# Altium PCB PCB信仰尺V1.0.pcbdoc (part 1 of 6)
Units mil, origin at the board's own origin, x right, y up, seen from the top; angles counter-clockwise.
Board outline 13501.75 x 10176.26 mil, 2 copper layers (Top Layer, Bottom Layer); 258 components, 187 nets, 2051 pads, 0 vias.
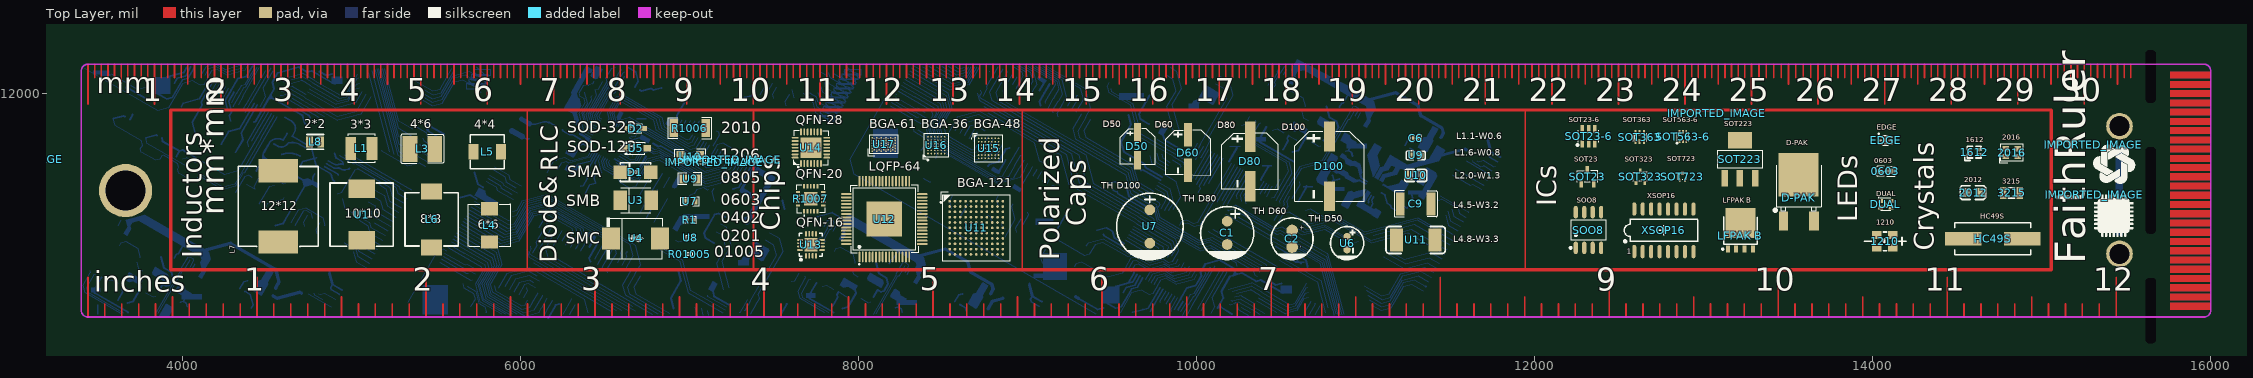
[diagram p0: Top Layer view]
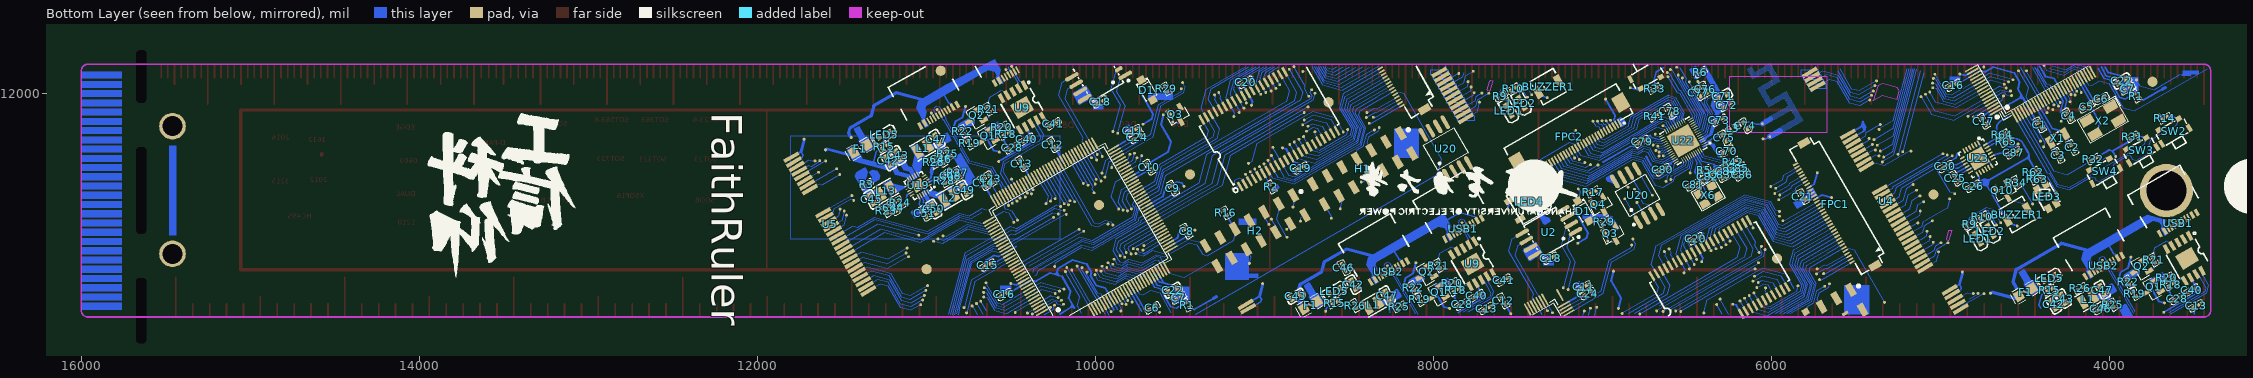
[diagram p1: Bottom Layer view, seen from below]

## Layer stack, top to bottom
Top Layer: signal copper (thickness not stored)
Dielectric: dielectric 12.6, FR-4, Dk 4.8
Bottom Layer: signal copper (thickness not stored)

## Board outline
16251.75,2750 2750,2750 2750,12926.26 16251.75,12926.26
cut-out: 15637,11680.16 15656.68,11680.16 cw(c15656.68,11660.48) 15676.37,11660.48 15676.37,11188.04 cw(c15656.68,11188.04) 15656.68,11168.35 15637,11168.35 cw(c15637,11188.04) 15617.31,11188.04 15617.31,11660.48 cw(c15637,11660.48)
cut-out: 15637,10905.81 15656.68,10905.81 cw(c15656.68,10886.12) 15676.37,10886.12 15676.37,10539.27 cw(c15656.68,10539.27) 15656.68,10519.59 15637,10519.59 cw(c15637,10539.27) 15617.31,10539.27 15617.31,10886.12 cw(c15637,10886.12)
cut-out: 15637,12253.93 15656.68,12253.93 cw(c15656.68,12234.24) 15676.37,12234.24 15676.37,11962.39 cw(c15656.68,11962.39) 15656.68,11942.71 15637,11942.71 cw(c15637,11962.39) 15617.31,11962.39 15617.31,12234.24 cw(c15637,12234.24)

## Components (designator, comment, footprint, x,y, rotation, side; value= is the part's Value field where it differs from the comment)
0603 "KT-0603R" LED0603-RD 14076.61,11536.37 r0 top
1210 "597-7701-507F" LED-SMD_4P-L3.0-W2.5_597-7701-507F 14073.28,11122.86 r0 top
1612 "AMPDGEI-A09T" OSC-SMD_4P-L1.6-W1.2-BL_ABRACON_AMPMG 14601.75,11650.85 r0 top
2012 "MLF2012C101KT000" L0805 14595.83,11410.86 r0 top
2016 "9S26000033_C516565" OSC-SMD_4P-L2.0-W1.6-BL 14824.64,11647.86 r0 top
3215 "Q13FC1350000400" FC-135R_L3.2-W1.5#1 14822.75,11409.75 r0 top
BUZZER1 "FUET-4020" BUZ-SMD_L4.0-W4.0-P3.50-L 4547.25,11280.93 r150 bottom
BUZZER1 "FUET-4020" BUZ-SMD_L4.0-W4.0-P3.50-L 7322.29,12037.81 r150 bottom
C1 "100uF" CAP-TH_BD8.0-P3.50-D0.6-FD_1 10182.16,11172.86 r270 top
C1 "CL05B104KB54PNC" C0402 4413.74,11811.65 r60 bottom
C2 "47uF" CAP-TH_BD6.3-P2.50-D0.6-FD 10566.49,11137.9 r270 top
C2 "CL05C100JB5NNNC" C0402 4221.03,11678.01 r240 bottom
C3 "CL05C100JB5NNNC" C0402 4303.98,11631.05 r240 bottom
C4 "CL05B104KB54PNC" C0402 4242.82,11865.43 r60 bottom
C5 "0402CG220J500NT" C0402 4135.69,11917.97 r150 bottom
C6 "MPC8020-206/TR" CAP-SMD_L1.1-W0.6 11297.74,11733.86 r0 top
C6 "0402CG220J500NT" C0402 4050.03,11967.82 r330 bottom
C6 "0402CG220J500NT" C0402 9665.07,10729.71 r330 bottom
C7 "CL05B104KB54PNC" C0402 3894.54,12025.68 r330 bottom
C7 "CL05B104KB54PNC" C0402 9509.58,10787.56 r330 bottom
C8 "CL05B104KB54PNC" C0402 9462.3,11181.54 r60 bottom
C9 "63MU105MC24532" CAP-SMD_L4.5-W3.2-1 11297.74,11344.11 r0 top
C9 "CL05B104KB54PNC" C0402 9542.76,11436.66 r60 bottom
C10 "CL05B104KB54PNC" C0402 9682.98,11561.9 r60 bottom
C11 "CL05B104KB54PNC" C0402 7113.07,10853.11 r330 bottom
C11 "CL05B104KB54PNC" C0402 9777.07,11778.11 r330 bottom
C12 "CL05B104KB54PNC" C0402 7588.32,10769.9 r60 bottom
C12 "CL05B104KB54PNC" C0402 10252.32,11694.9 r60 bottom
C13 "CL05B104KB54PNC" C0402 7685.75,10724.86 r150 bottom
C13 "CL05B104KB54PNC" C0402 3487.51,10740.42 r150 bottom
C13 "CL05B104KB54PNC" C0402 10437.58,11582.43 r60 bottom
C14 "CL05B104KB54PNC" C0402 10661.37,11469.7 r60 bottom
C15 "CL05B104KB54PNC" C0402 10638.43,10982.15 r330 bottom
C16 "CL05B104KB54PNC" C0402 4925.28,12046.9 r330 bottom
C16 "CL05B104KB54PNC" C0402 10540.33,10808.79 r330 bottom
C17 "CL05B104KB54PNC" C0402 4744.81,11833.15 r60 bottom
C18 "CL05B104KB54PNC" C0402 7308.66,11022.2 r150 bottom
C18 "CL05B104KB54PNC" C0402 9972.66,11947.2 r150 bottom
C19 "CL05B104KB54PNC" C0402 8787.08,11556.66 r330 bottom
C20 "CL05B104KB54PNC" C0402 6448.42,11138.62 r330 bottom
C20 "CL05B104KB54PNC" C0402 9112.42,12063.62 r330 bottom
C21 "CL05B104KB54PNC" C0402 5816.38,11387.94 r240 bottom
C22 "CL10A106KP8NNNC" C0603 3928.48,12071.53 r150 bottom
C22 "CL10A106KP8NNNC" C0603 9543.52,10833.42 r150 bottom
C23 "CL05A225MQ5NSNC" C0402 10621.75,11493.24 r60 bottom
C24 "CL05A225MQ5NSNC" C0402 7089.55,10813.68 r330 bottom
C24 "CL05A225MQ5NSNC" C0402 9753.55,11738.68 r330 bottom
C25 "CL05B104KB54PNC" C0402 4912.78,11496.79 r240 bottom
C26 "CL05B104KB54PNC" C0402 4808.09,11448.42 r150 bottom
C28 "CL05A105KA5NQNC" C0402 7830.01,10751.38 r330 bottom
C28 "CL05A105KA5NQNC" C0402 3600.01,10784.38 r330 bottom
C28 "CL05A105KA5NQNC" C0402 10494.01,11676.38 r330 bottom
C30 "AC0402KRX7R9BB103" C0402 4971.73,11566.04 r330 bottom
C40 "CL05A105KA5NQNC" C0402 7743.88,10801.54 r150 bottom
C40 "CL05A105KA5NQNC" C0402 3513.88,10834.54 r150 bottom
C40 "CL05A105KA5NQNC" C0402 10407.88,11726.54 r150 bottom
C41 "CL05B104KB54PNC" C0402 7585.75,10893.15 r330 bottom
C41 "CL05B104KB54PNC" C0402 10249.75,11818.15 r330 bottom
C42 "CL10A106KP8NNNC" C0603 8474.75,10866.86 r60 bottom
C42 "CL10A106KP8NNNC" C0603 4332.62,10750.46 r60 bottom
C42 "CL10A106KP8NNNC" C0603 11226.62,11598.46 r60 bottom
C43 "CL10A106KP8NNNC" C0603 8815.75,10797.86 r150 bottom
C43 "CL10A106KP8NNNC" C0603 4275.16,10784.1 r60 bottom
C43 "CL10A106KP8NNNC" C0603 11169.16,11632.1 r60 bottom
C44 "0402B221K500NT" C0402 11194.14,11322.57 r240 bottom
C45 "CL10A106KP8NNNC" C0603 11324.74,11371.51 r60 bottom
C46 "0402B221K500NT" C0402 8531.75,10967.86 r240 bottom
C46 "0402B221K500NT" C0402 4053.75,10724.86 r330 bottom
C46 "0402B221K500NT" C0402 10912.84,11608.85 r240 bottom
C47 "CL10A106KP8NNNC" C0603 8274.59,10801.71 r240 bottom
C47 "CL10A106KP8NNNC" C0603 4044.59,10834.71 r240 bottom
C47 "CL10A106KP8NNNC" C0603 10938.59,11726.71 r240 bottom
C48 "0402B221K500NT" C0402 10857.43,11510.3 r240 bottom
C49 "CL10A106KP8NNNC" C0603 10775.96,11426.43 r240 bottom
C50 "CL10A106KP8NNNC" C0603 10956.92,11314.17 r60 bottom
C51 "CL05A105KA5NQNC" C0402 11011.3,11288.31 r60 bottom
C70 "CL05B104KB54PNC" C0402 6266.33,11656.79 r330 bottom
C71 "CL10A106KP8NNNC" C0603 6288.86,11980.11 r150 bottom
C72 "CL05A105KA5NQNC" C0402 6264.96,11927.88 r330 bottom
C73 "CL05B104KB54PNC" C0402 6311.29,11839.14 r330 bottom
C74 "CL05C100JB5NNNC" C0402 6156.11,11807.24 r240 bottom
C75 "CL05C100JB5NNNC" C0402 6280.35,11734.52 r240 bottom
C76 "GRM1555C1H271FA01D" C0402 6393.02,12023.81 r60 bottom
C77 "GRM1555C1H271FA01D" C0402 6432.81,12001.53 r240 bottom
C78 "CL05B104KB54PNC" C0402 6602.3,11891.75 r240 bottom
C79 "CL05A475MP5NRNC" C0402 6767.25,11712.81 r150 bottom
C80 "CL05B104KB54PNC" C0402 6644.54,11546.29 r150 bottom
C81 "0402CG220J500NT" C0402 6463.81,11456.32 r150 bottom
C82 "0402CG220J500NT" C0402 6377.55,11504.07 r330 bottom
C83 "CL05A105KA5NQNC" C0402 6304.13,11517.66 r60 bottom
C84 "0402CG101J500NT" C0402 6269.99,11537.46 r60 bottom
C85 "CL05B332KB5NNNC" C0402 6196.62,11555.79 r150 bottom
C86 "CL05B103KB5NNNC" C0402 6173.89,11516.38 r330 bottom
C87 "0402B222K500NT" C0402 4568.92,11645.67 r150 bottom
D1 "DO-214AC_L4.3-W2.7-LS5.3-RD" DO-214AC_L4.3-W2.7-LS5.3-RD 6681.21,11531.86 r0 top
D1 "1N4148W" SOD-123_L2.7-W1.6-LS3.8-RD 7114.49,11301.93 r240 bottom
D1 "1N4148W" SOD-123_L2.7-W1.6-LS3.8-RD 9696.75,12017.86 r240 bottom
D2 "SOD-323_L1.8-W1.3-LS2.5-RD" SOD-323_L1.8-W1.3-LS2.5-RD 6682.55,11789.86 r0 top
D50 "RVT100UF10V67RV0160" CAP-SMD_BD5.0-L5.3-W5.3-FD 9651.49,11684.41 r270 top
D60 "RST47UF50V038" CAP-SMD_BD6.3-L6.6-W6.6-LS7.2-FD 9950.75,11648.19 r270 top
D80 "RVE1E221M0810" CAP-SMD_BD8.0-L8.3-W8.3-LS9.3-FD 10317.75,11595.42 r270 top
D100 "470uF" CAP-SMD_BD10.0-L10.3-W10.3-LS11.3-FD 10786.42,11566.86 r270 top
D-PAK "L78M05ABDT-TR" TO-252-2_L6.5-W6.1-P4.58-LS10.0-TL 13562.75,11379.91 r90 top
DUAL "YELLOWBLUE/RED" LED-ARRAY-SMD_4P-L1.6-W1.5-BR-1 14078.78,11341.52 r180 top
EDGE "MIC5308-1.2YMT-TR" MLF-6_L1.6-W1.6-P0.50-TL-EP 14077.66,11719.86 r0 top
F1 "SL0805200" F0805 8728.2,10745.93 r330 bottom
F1 "SL0805200" F0805 4498.2,10822.93 r330 bottom
F1 "SL0805200" F0805 11392.2,11670.93 r330 bottom
FPC1 "F0502-B-35-15T-R" FPC-SMD_F0502-B-35-15T-R 5645.46,11315.73 r60 bottom
FPC2 "FPC-05F-30PH20" FPC-SMD_30P-P0.50_XUNPU_FPC-05F-30PH20 7172.07,11724.86 r330 bottom
H1 "2185-207ZG0CYNT1" HDR-SMD_14P-P2.54-H-F-R2-C7-S3.50 8420.73,11551.92 r330 bottom
H2 "2185-207ZG0CYNT1" HDR-SMD_14P-P2.54-H-F-R2-C7-S3.50 9055.66,11186.26 r330 bottom
HC49S "X49SM8MSD2SC" CRYSTAL-SMD_L11.5-W4.8-LS12.7 14711.75,11137.86 r0 top
IMPORTED_IMAGE "IMPORTED_IMAGE" IMPORTED_IMAGE 15311.75,11399.86 r0 top
IMPORTED_IMAGE "IMPORTED_IMAGE" IMPORTED_IMAGE 15306.75,11693.86 r0 top
IMPORTED_IMAGE "IMPORTED_IMAGE" IMPORTED_IMAGE 13077.75,11881.86 r0 top
IMPORTED_IMAGE "IMPORTED_IMAGE" IMPORTED_IMAGE 7148.12,11590.6 r0 top
IMPORTED_IMAGE "IMPORTED_IMAGE" IMPORTED_IMAGE 3000,11609.86 r0 top
IMPORTED_IMAGE "IMPORTED_IMAGE" IMPORTED_IMAGE 7253.06,11605.86 r0 top
L1 "Inductor_SMD:L_Coilcraft_XxL4040" IND-SMD_L4.0-W4.0 5059.75,11672.5 r0 top
L1 "VLS252012CX-1R5M" IND-SMD_L2.5-W2.0_252012 8358.74,10747.12 r330 bottom
L1 "VLS252012CX-1R5M" IND-SMD_L2.5-W2.0_252012 4128.74,10780.12 r330 bottom
L1 "VLS252012CX-1R5M" IND-SMD_L2.5-W2.0_252012 11022.74,11672.12 r330 bottom
L2 "VLS252012CX-1R5M" IND-SMD_L2.5-W2.0_252012 10867.04,11381.4 r330 bottom
L3 "SQC453226T-220K-N" IND-SMD_L4.5-W3.6_SQC453226T-4R7K-N 5420.39,11669.41 r0 top
L3 "SDCL1005C10NJTDF" L0402 6230.79,11792.6 r330 bottom
L4 "MBH6045C-221MA=P3" IND-SMD_L6.2-W6.2-MBH6045C-221MA 5817.61,11217.54 r90 top
L5 "HPPC05030-1R0M-Q8DH" IND-SMD_L5.0-W5.0_CHILISIN_HPPC05030 5804.75,11652.95 r180 top
L6 "HPPC08040B-R33M-AUDF" IND-SMD_L8.0-W8.0_CHILISIN_HPPC08040B 5474.91,11252.43 r90 top
L7 "HPPC12040-R22M-Q8ADF" IND-SMD_L12.0-W12.0_CHILISIN_HPPC12040 4567.84,11329.25 r90 top
L8 "FTC201610S4R7MBCA" IND-SMD_L2.0-W1.6-B 4786.06,11710.86 r0 top
L13 "VLS252012CX-1R5M" IND-SMD_L2.5-W2.0_252012 11242.15,11421.6 r330 bottom
LED1 "19-217/GHC-YR1S2/3T" LED0603-R-RD 4780.03,11138.97 r60 bottom
LED1 "19-217/GHC-YR1S2/3T" LED0603-R-RD 7555.08,11895.85 r60 bottom
LED2 "19-217/GHC-YR1S2/3T" LED0603-R-RD 4705.1,11183.53 r60 bottom
LED2 "19-217/GHC-YR1S2/3T" LED0603-R-RD 7480.14,11940.41 r60 bottom
LED3 "PD15-22C/TR8(OP)" LED-SMD_4P-L3.2-W2.7-R-RD 4371.91,11387.99 r240 bottom
LED4 "ws2812b" WS2812B 7434.86,11357.61 r150 bottom
LED5 "19-217/GHC-YR1S2/3T" LED0603-R-RD 8586.79,10828.45 r330 bottom
LED5 "19-217/GHC-YR1S2/3T" LED0603-R-RD 4356.79,10905.45 r330 bottom
LED5 "19-217/GHC-YR1S2/3T" LED0603-R-RD 11250.79,11753.45 r330 bottom
"LFPAK B" "PSMN4R0-60YS,115" LFPAK56-4_L4.9-W4.2-P1.27-LS6.2-BL 13219.07,11154.86 r0 top
Q1 "SS8050" SOT-23-3_L2.9-W1.3-P1.90-LS2.4-BR 7980.36,10806.34 r150 bottom
Q1 "SS8050" SOT-23-3_L2.9-W1.3-P1.90-LS2.4-BR 3750.36,10839.34 r150 bottom
Q1 "SS8050" SOT-23-3_L2.9-W1.3-P1.90-LS2.4-BR 10644.36,11731.34 r150 bottom
Q2 "SS8050" SOT-23-3_L2.9-W1.3-P1.90-LS2.4-BR 8049.9,10927.21 r150 bottom
Q2 "SS8050" SOT-23-3_L2.9-W1.3-P1.90-LS2.4-BR 3819.9,10960.21 r150 bottom
Q2 "SS8050" SOT-23-3_L2.9-W1.3-P1.90-LS2.4-BR 10713.9,11852.21 r150 bottom
Q3 "S8050" SOT-23-3_L2.9-W1.3-P1.90-LS2.4-BR 6940.29,11160.39 r60 bottom
Q3 "S8050" SOT-23-3_L2.9-W1.3-P1.90-LS2.4-BR 9513.29,11864.39 r60 bottom
Q4 "S8050" SOT-23-3_L2.9-W1.3-P1.90-LS2.4-BR 7010.86,11332.74 r60 bottom
Q10 "S8050" SOT-23-3_L2.9-W1.3-P1.90-LS2.4-BR 4620.73,11414.67 r60 bottom
R1 "50R 1%-0402" R0402 7003.95,11249.86 r0 top
R1 "0402WGF100JTCE" R0402 3843.33,11982.67 r60 bottom
R1 "0402WGF100JTCE" R0402 9458.37,10744.56 r60 bottom
R2 "0402WGF1002TCE" R0402 8961,11444.8 r60 bottom
R3 "0402WGF0000TCE" R0402 11354.5,11460.54 r150 bottom
R5 "0402WGF0000TCE" R0402 6398.69,11544.37 r330 bottom
R6 "0402WGF0000TCE" R0402 6421.75,12123.86 r150 bottom
R9 "0402WGF4701TCE" R0402 4829.53,11224.94 r150 bottom
R9 "0402WGF4701TCE" R0402 7604.57,11981.83 r150 bottom
R10 "0402WGF4701TCE" R0402 4754.57,11268.09 r150 bottom
R10 "0402WGF4701TCE" R0402 7529.61,12024.97 r150 bottom
R14 "CR0402FF4990G" R0402 3674.62,11851.59 r330 bottom
R15 "0402WGF4701TCE" R0402 8585.3,10757.64 r150 bottom
R15 "0402WGF4701TCE" R0402 4355.3,10834.64 r150 bottom
R15 "0402WGF4701TCE" R0402 11249.3,11682.64 r150 bottom
R16 "0402WGF1002TCE" R0402 9231.41,11291.74 r240 bottom
R17 "TR0402D10K0Q1025Z" R0402 7055.71,11414.65 r150 bottom
R18 "0402WGF1002TCE" R0402 7867.98,10831.95 r330 bottom
R18 "0402WGF1002TCE" R0402 3637.98,10864.95 r330 bottom
R18 "0402WGF1002TCE" R0402 10531.98,11756.95 r330 bottom
R19 "0402WGF1001TCE" R0402 8081.06,10778.82 r60 bottom
R19 "0402WGF1001TCE" R0402 3851.06,10811.82 r60 bottom
R19 "0402WGF1001TCE" R0402 10745.06,11703.82 r60 bottom
R20 "0402WGF4702TCE" R0402 7891.39,10874.19 r330 bottom
R20 "0402WGF4702TCE" R0402 3661.39,10907.19 r330 bottom
R20 "0402WGF4702TCE" R0402 10555.39,11799.19 r330 bottom
R21 "0402WGF1002TCE" R0402 7969.06,10979.38 r60 bottom
R21 "0402WGF1002TCE" R0402 3739.06,11012.38 r60 bottom
R21 "0402WGF1002TCE" R0402 10633.06,11904.38 r60 bottom
R22 "0402WGF1002TCE" R0402 8121.37,10849.39 r240 bottom
R22 "0402WGF1002TCE" R0402 3891.37,10882.39 r240 bottom
R22 "0402WGF1002TCE" R0402 10785.37,11774.39 r240 bottom
R23 "0402WGF6802TCE" R0402 11238.47,11304.46 r240 bottom
R24 "0402WGF1502TCE" R0402 11156.84,11351.32 r60 bottom
R25 "0402WGF1103TCE" R0402 8202.75,10734.86 r330 bottom
R25 "0402WGF1103TCE" R0402 3981.24,10748.33 r240 bottom
R25 "0402WGF1103TCE" R0402 10875.24,11640.33 r240 bottom
R26 "NQ02WGF3002TCE" R0402 8464.75,10742.86 r240 bottom
R26 "NQ02WGF3002TCE" R0402 10958.32,11591.22 r240 bottom
R26 "NQ02WGF3002TCE" R0402 4175.75,10843.86 r330 bottom
R27 "0402WGF1003TCE" R0402 10814.39,11527.23 r240 bottom
R28 "0402WGF1003TCE" R0402 10896.3,11482.27 r240 bottom
R29 "TR0402D10K0Q1025Z" R0402 6989.95,11238.2 r150 bottom
R29 "TR0402D10K0Q1025Z" R0402 9582.75,12024.86 r240 bottom
R31 "CR0402FF4990G" R0402 3864.72,11741.57 r330 bottom
R32 "CR0402FF4990G" R0402 4096.72,11607.89 r150 bottom
R33 "CR0402FF4990G" R0402 6692.49,12026.17 r150 bottom
R34 "CR0402FF1001G" R0402 4552.55,11470.31 r60 bottom
R41 "0402WGF0000TCE" R0402 6690.74,11863.55 r330 bottom
R42 "0402WGF2002TCE" R0402 6226.52,11592.02 r150 bottom
R62 "CR0402FF4702G" R0402 4452.73,11531.74 r150 bottom
R63 "CR0402J1K00Q10Z" R0402 4430.1,11491.29 r330 bottom
R64 "0402WGF4701TCE" R0402 4634.61,11752.32 r150 bottom
R65 "0402WGF4701TCE" R0402 4611.89,11713.12 r150 bottom
R01005 "RC0100FR-073R3L" R01005 7002.82,11047.86 r0 top
R1006 "AR10FTCO0500" R2010 7002.98,11792.44 r0 top
R1007 "XM003Q" QFN-20_L4.0-W4.0-P0.5-EP2.0 7718.24,11374.86 r0 top
SOO8 "HY15P41-S008" SOP-8_L4.9-W3.9-P1.27-LS6.0-BL 12319.75,11189.86 r0 top
SOT23 "BAV70_C68978" SOT-23-3_L3.0-W1.7-P0.95-LS2.9-BR 12313.44,11505.54 r270 top
SOT23-6 "SOT23-6" SOT-23-6_L2.9-W1.6-P0.95-LS2.8-BL 12320.39,11743.86 r0 top
SOT223 "SOT223" SOT-223-4_L6.5-W3.5-P2.30-LS7.0-BR 13215.75,11608.21 r270 top
SOT323 "BAV99WT1G" SC-70-3_L2.1-W1.3-P1.30-LS2.1-BR 12626.29,11504.86 r270 top
SOT363 "74HC2G04GW-SOT363" SOT-36-6_L2.0-W1.3-P0.65-BL 12622.75,11738.79 r0 top
SOT563-6 "TMP302BDRLT" SOT-563_L1.6-W1.2-P0.50-LS1.6-BL 12878.44,11742.86 r0 top
SOT723 "CJ3134K KF" SOT-723_L1.2-W0.8-P0.40-LS1.2-BR 12875.75,11505.21 r270 top
SW2 "K2-1806SA-A3DW-04" KEY-SMD_K2-1806SA-AXXW-XX 3630.51,11780.83 r330 bottom
SW3 "K2-1806SA-A3DW-04" KEY-SMD_K2-1806SA-AXXW-XX 3823.02,11667.83 r330 bottom
SW4 "K2-1806SA-A3DW-04" KEY-SMD_K2-1806SA-AXXW-XX 4040.47,11544.26 r330 bottom
U1 "CD106N-330M" IND-SMD_L9.5-W9.5 5061.24,11281.43 r90 top
U2 "W25Q128JVSIM" SOIC-8_L5.2-W5.2-P1.27-LS7.9-BL 7318.67,11175.6 r60 bottom
U3 "DO-214AA_L4.4-W3.6-LS5.3-RD" DO-214AA_L4.4-W3.6-LS5.3-RD 6682.55,11364.86 r0 top
U4 "DO-214AB_L6.9-W5.9-LS7.9-RD" DO-214AB_L6.9-W5.9-LS7.9-RD 6682.55,11139.69 r0 top
U4 "MIN-PCIE 0.8-52P_1" "MINI-PCIE 0.8-52P" 5622.24,11761.78 r240 bottom
U5 "SOD-123F_L2.7-W1.6-LS3.8-RD" SOD-123F_L2.7-W1.6-LS3.8-RD 6682.54,11673.86 r0 top
U5 "MIN-PCIE 0.8-52P_1" "MINI-PCIE 0.8-52P" 11873.42,11625.5 r240 bottom
U6 "22uF" CAP-TH_BD5.0-P2.00-D0.5-FD-1 10891.75,11112.31 r270 top
U7 "TH D100" CAP-TH_BD10.0-P5.00-D0.6-FD 9724.75,11210.73 r270 top
U7 "50M-1" R0603 7003.95,11358.86 r0 top
U8 "0201WMJ0153T5E" R0201 7005.64,11144.86 r0 top
U9 "16MU473MY11608" CAP-SMD_L1.6-W0.8-2 11297.74,11630.9 r0 top
U9 "MCTF0805TTX1002" R0805 7004.2,11492.33 r0 top
U9 "CH340K" ESOP-10_L4.9-W3.9-P1.00-LS6.2-BL-EP 7771.16,10988.97 r330 bottom
U9 "CH340K" ESOP-10_L4.9-W3.9-P1.00-LS6.2-BL-EP 10435.16,11913.97 r330 bottom
U10 "63MU103KZ12012" CAP-SMD_L2.0-W1.3 11297.74,11512.37 r0 top
U10 "RN732BTTD2671B25" R1206 7005.96,11624.61 r0 top
U11 "ECHU1H473JX9" CAP-SMD_L4.8-W3.3 11297.75,11130.86 r0 top
U11 "CYUSB3064-BZXC_C2944683" BGA-121_L10.0-W10.0-R11-C11-P0.80-TL 8697.75,11202.86 r0 top
U12 "S912ZVML12AMKHR" LQFP-64_L10.0-W10.0-P0.50-LS12.0-BL-EP5.3 8153.75,11254.86 r0 top
U13 "MKL03Z16VFG4" QFN-16_L3.0-W3.0-P0.50-BL-EP2.0 7719.75,11101.7 r0 top
U14 "C8051F367-C-GMR" QFN-28_L5.0-W5.0-P0.50-BL-EP3.1 7719.75,11676.86 r0 top
U15 "EFM32TG825F32-BGA48T" BGA-48_L4.0-W4.0-P0.50-TL_SILICON_EFM32TG825XXX 8770.27,11672.86 r0 top
U16 "MKL17Z64VDA4R" BGA-36_L3.5-W3.5-R6-R6-P0.50-BL 8455.75,11696.86 r0 top
U17 "CS47L63-CWZR" BGA-61_L4.1-W2.7-P0.40-BL 8149.75,11695.85 r0 top
U19 "EA3036CQBR" WQFN-20_L3.0-W3.0-P0.40-BL-EP 11050.34,11453.29 r60 bottom
U20 "W25Q128JVSIQ" SOIC-8_L5.3-W5.3-P1.27-LS8.0-BL 6793.91,11394.15 r150 bottom
U20 "W25Q128JVSIQ" SOIC-8_L5.3-W5.3-P1.27-LS8.0-BL 7927.75,11669.86 r150 bottom
U22 "ESP32-D0WD-V3" QFN-48_L5.0-W5.0-P0.35-BL-EP3.7 6522.92,11717.8 r60 bottom
U23 "MPU-6050" QFN-24_L4.0-W4.0-P0.50-BL-EP2.7 4779.91,11613.47 r330 bottom
USB1 "TYPE-C-31-M-31" USB-C-SMD_TYPE-C-31-M-31 7870.5,11279.03 r330 bottom
USB1 "TYPE-C-31-M-31" USB-C-SMD_TYPE-C-31-M-31 3640.5,11312.03 r330 bottom
USB2 "TYPE-C-31-M-31" USB-C-SMD_TYPE-C-31-M-31 8311.17,11025.07 r330 bottom
USB2 "TYPE-C-31-M-31" USB-C-SMD_TYPE-C-31-M-31 4081.17,11058.07 r330 bottom
X1 "Q13FC1350000400" FC-135R_L3.2-W1.5#2 4308.2,11733.53 r150 bottom
X2 "X50328MSB4SI" OSC-SMD_4P-L5.0-W3.2-BL 4040.55,11837.08 r330 bottom
X6 "SX32Y040000BA1T" OSC-SMD_4P-L3.2-W2.5-BL 6375.11,11396.47 r330 bottom
XSOP16 "SMT-IC-X-SOP16-74HC595" SMT-SOP16-X 12765.76,11187.86 r0 top

## Footprints (in the part's own frame and the unit in brackets; to place one, negate y for a bottom-side part, rotate by r counter-clockwise, add the part's x,y. Pads: shape width x height; smd on the part's side, far side on the other; paste and mask are expansions set on the pad)
BGA-36_L3.5-W3.5-R6-R6-P0.50-BL [mm]
  round 0.24 smd paste+0 mask+0.038: A1(-1.113,-1.386) A2(-1.113,-0.886) A3(-1.113,-0.386) A4(-1.113,0.114) A5(-1.113,0.614) A6(-1.113,1.114) B1(-0.613,-1.386) B2(-0.613,-0.886) B3(-0.613,-0.386) B4(-0.613,0.114) B5(-0.613,0.614) B6(-0.613,1.114) C1(-0.113,-1.386) C2(-0.113,-0.886) C3(-0.113,-0.386) C4(-0.113,0.114) C5(-0.113,0.614) C6(-0.113,1.114) D1(0.387,-1.386) D2(0.387,-0.886) D3(0.387,-0.386) D4(0.387,0.114) D5(0.387,0.614) D6(0.387,1.114) E1(0.887,-1.386) E2(0.887,-0.886) E3(0.887,-0.386) E4(0.887,0.114) E5(0.887,0.614) E6(0.887,1.114) F1(1.387,-1.386) F2(1.387,-0.886) F3(1.387,-0.386) F4(1.387,0.114) F5(1.387,0.614) F6(1.387,1.114)
  silkscreen extent -1.92,-2.46 1.96,1.69
BGA-48_L4.0-W4.0-P0.50-TL_SILICON_EFM32TG825XXX [mm]
  round 0.24 smd paste-100 mask+0.051: A1(-1.5,1.5) A2(-1,1.5) A3(-0.5,1.5) A4(0,1.5) A5(0.5,1.5) A6(1,1.5) A7(1.5,1.5) B1(-1.5,1) B2(-1,1) B3(-0.5,1) B4(0,1) B5(0.5,1) B6(1,1) B7(1.5,1) C1(-1.5,0.5) C2(-1,0.5) C3(-0.5,0.5) C4(0,0.5) C5(0.5,0.5) C6(1,0.5) C7(1.5,0.5) D1(-1.5,0) D2(-1,0) D3(-0.5,0) D5(0.5,0) D6(1,0) D7(1.5,0) E1(-1.5,-0.5) E2(-1,-0.5) E3(-0.5,-0.5) E4(0,-0.5) E5(0.5,-0.5) E6(1,-0.5) E7(1.5,-0.5) F1(-1.5,-1) F2(-1,-1) F3(-0.5,-1) F4(0,-1) F5(0.5,-1) F6(1,-1) F7(1.5,-1) G1(-1.5,-1.5) G2(-1,-1.5) G3(-0.5,-1.5) G4(0,-1.5) G5(0.5,-1.5) G6(1,-1.5) G7(1.5,-1.5)
  silkscreen extent -2.63,-2.08 2.08,2.3
BGA-61_L4.1-W2.7-P0.40-BL [mm]
  round 0.24 smd paste-100 mask+0.051: A1(-1.731,-1) A3(-1.731,-0.6) A5(-1.731,-0.2) A7(-1.731,0.2) A9(-1.731,0.6) A11(-1.731,1) B2(-1.384,-0.8) B4(-1.384,-0.4) B6(-1.384,0) B8(-1.384,0.4) B10(-1.384,0.8) C1(-1.038,-1) C3(-1.038,-0.6) C5(-1.038,-0.2) C7(-1.038,0.2) C9(-1.038,0.6) C11(-1.038,1) D2(-0.692,-0.8) D4(-0.692,-0.4) D6(-0.692,0) D8(-0.692,0.4) D10(-0.692,0.8) E1(-0.346,-1) E3(-0.346,-0.6) E5(-0.346,-0.2) E7(-0.346,0.2) E9(-0.346,0.6) E11(-0.346,1) F2(0,-0.8) F4(0,-0.4) F6(0,0) F8(0,0.4) F10(0,0.8) G1(0.346,-1) G3(0.346,-0.6) G5(0.346,-0.2) G7(0.346,0.2) G9(0.346,0.6) G11(0.346,1) H2(0.692,-0.8) H4(0.692,-0.4) H6(0.692,0) H8(0.692,0.4) H10(0.692,0.8) J1(1.038,-1) J3(1.038,-0.6) J5(1.038,-0.2) J7(1.038,0.2) J9(1.038,0.6) J11(1.038,1) K2(1.384,-0.8) K4(1.384,-0.4) K6(1.384,0) K8(1.384,0.4) K10(1.384,0.8) L1(1.731,-1) L3(1.731,-0.6) L5(1.731,-0.2) L7(1.731,0.2) L9(1.731,0.6) L11(1.731,1)
  silkscreen extent -2.38,-1.66 2.13,1.43
BGA-121_L10.0-W10.0-R11-C11-P0.80-TL [mm]
  round 0.4 smd mask+0.051: A1(-4,4) A2(-3.2,4) A3(-2.4,4) A4(-1.6,4) A5(-0.8,4) A6(0,4) A7(0.8,4) A8(1.6,4) A9(2.4,4) A10(3.2,4) A11(4,4) B1(-4,3.2) B2(-3.2,3.2) B3(-2.4,3.2) B4(-1.6,3.2) B5(-0.8,3.2) B6(0,3.2) B7(0.8,3.2) B8(1.6,3.2) B9(2.4,3.2) B10(3.2,3.2) B11(4,3.2) C1(-4,2.4) C2(-3.2,2.4) C3(-2.4,2.4) C4(-1.6,2.4) C5(-0.8,2.4) C6(0,2.4) C7(0.8,2.4) C8(1.6,2.4) C9(2.4,2.4) C10(3.2,2.4) C11(4,2.4) D1(-4,1.6) D2(-3.2,1.6) D3(-2.4,1.6) D4(-1.6,1.6) D5(-0.8,1.6) D6(0,1.6) D7(0.8,1.6) D8(1.6,1.6) D9(2.4,1.6) D10(3.2,1.6) D11(4,1.6) E1(-4,0.8) E2(-3.2,0.8) E3(-2.4,0.8) E4(-1.6,0.8) E5(-0.8,0.8) E6(0,0.8) E7(0.8,0.8) E8(1.6,0.8) E9(2.4,0.8) E10(3.2,0.8) E11(4,0.8) F1(-4,0) F2(-3.2,0) F3(-2.4,0) F4(-1.6,0) F5(-0.8,0) F6(0,0) F7(0.8,0) F8(1.6,0) F9(2.4,0) F10(3.2,0) F11(4,0) G1(-4,-0.8) G2(-3.2,-0.8) G3(-2.4,-0.8) G4(-1.6,-0.8) G5(-0.8,-0.8) G6(0,-0.8) G7(0.8,-0.8) G8(1.6,-0.8) G9(2.4,-0.8) G10(3.2,-0.8) G11(4,-0.8) H1(-4,-1.6) H2(-3.2,-1.6) H3(-2.4,-1.6) H4(-1.6,-1.6) H5(-0.8,-1.6) H6(0,-1.6) H7(0.8,-1.6) H8(1.6,-1.6) H9(2.4,-1.6) H10(3.2,-1.6) H11(4,-1.6) J1(-4,-2.4) J2(-3.2,-2.4) J3(-2.4,-2.4) J4(-1.6,-2.4) J5(-0.8,-2.4) J6(0,-2.4) J7(0.8,-2.4) J8(1.6,-2.4) J9(2.4,-2.4) J10(3.2,-2.4) J11(4,-2.4) K1(-4,-3.2) K2(-3.2,-3.2) K3(-2.4,-3.2) K4(-1.6,-3.2) K5(-0.8,-3.2) K6(0,-3.2) K7(0.8,-3.2) K8(1.6,-3.2) K9(2.4,-3.2) K10(3.2,-3.2) K11(4,-3.2) L1(-4,-4) L2(-3.2,-4) L3(-2.4,-4) L4(-1.6,-4) L5(-0.8,-4) L6(0,-4) L7(0.8,-4) L8(1.6,-4) L9(2.4,-4) L10(3.2,-4) L11(4,-4)
  silkscreen extent -5.41,-5 5,5.33
BUZ-SMD_L4.0-W4.0-P3.50-L [mil]
  rect 39.4x70.9 smd paste+4 mask+2: 1(-68.9,0) 2(68.9,0)
  silkscreen extent -79,-79 79,79
C0402 [mm]
  rect 0.79x0.54 smd paste-100 mask+0.051: 1(-0.545,0) 2(0.545,0)
  silkscreen extent -1.17,-0.5 1.17,0.5
C0603 [mm]
  rect 0.8x0.9 smd paste+0 mask+0.051: 1(-0.7,0) 2(0.7,0)
  silkscreen extent -1.41,-0.71 1.39,0.72
CAP-SMD_BD5.0-L5.3-W5.3-FD [mm]
  rect 2.8x1.1 smd mask+0.051: 1(-2.1,0) 2(2.1,0)
  silkscreen extent -2.66,-2.62 2.66,2.65
CAP-SMD_BD6.3-L6.6-W6.6-LS7.2-FD [mm]
  rect 3.5x1.2 smd mask+0.051: 1(-2.67,0) 2(2.67,0)
  silkscreen extent -3.38,-3.38 3.38,3.38
CAP-SMD_BD8.0-L8.3-W8.3-LS9.3-FD [mm]
  rect 4.6x1.6 smd mask+0.051: 1(-3.724,0) 2(3.724,0)
  silkscreen extent -4.23,-4.23 4.18,4.23
CAP-SMD_BD10.0-L10.3-W10.3-LS11.3-FD [mm]
  rect 4.5x1.65 smd mask+0.051: 1(-4.5,0) 2(4.5,0)
  silkscreen extent -5.23,-5.23 5.23,5.23
CAP-SMD_L1.1-W0.6 [mil]
  rect 16x30 smd mask+2: 1(-14,0) 2(14,0)
  silkscreen extent -32,-21 32,21
CAP-SMD_L1.6-W0.8-2 [mm]
  rect 0.85x0.85 smd mask+0.051: 1(0.725,0) 2(-0.725,0)
  silkscreen extent -1.44,-0.67 1.44,0.67
CAP-SMD_L2.0-W1.3 [mm]
  rect 1x1.3 smd paste+0 mask+0.05: 1(-0.9,0) 2(0.9,0)
  silkscreen extent -1.65,-0.89 1.65,0.89
CAP-SMD_L4.5-W3.2-1 [mm]
  rect 1.335x3.456 smd mask+0.051: 1(-2.317,0) 2(2.317,0)
  silkscreen extent -3.21,-1.96 3.21,1.96
CAP-SMD_L4.8-W3.3 [mm]
  rect 2x3.4 smd mask+0.051: 1(-2.898,0) 2(2.898,0)
  silkscreen extent -4.46,-2.03 4.46,2.03
CAP-TH_BD5.0-P2.00-D0.5-FD-1 [mm]
  round 1.1 smd paste+0 mask+0.05: 1(-1,0) 2(1,0)
  silkscreen extent -2.5,-2.5 2.54,2.5
CAP-TH_BD6.3-P2.50-D0.6-FD [mm]
  round 1.75 smd paste+0 mask+0.05: 1(-1.25,0) 2(1.25,0)
  silkscreen extent -3.15,-3.15 3.21,3.15
CAP-TH_BD8.0-P3.50-D0.6-FD_1 [mm]
  round 1.6 smd mask+0.051: 1(-1.75,0) 2(1.75,0)
  silkscreen extent -3.96,-4 4.04,4
CAP-TH_BD10.0-P5.00-D0.6-FD [mm]
  round 1.6 smd paste+0 mask+0.05: 1(-2.5,0) 2(2.5,0)
  silkscreen extent -5,-5 5.08,5
CRYSTAL-SMD_L11.5-W4.8-LS12.7 [mm]
  rect 5.5x2 smd mask+0.051: 1(-4.45,0) 2(4.45,0)
  silkscreen extent -5.7,-2.4 5.7,2.4
DO-214AA_L4.4-W3.6-LS5.3-RD [mm]
  rect 2.024x2.94 smd paste+0 mask+0.051: 1(-2.322,0) 2(2.322,0)
  silkscreen extent -2.28,-1.88 2.28,1.88
DO-214AB_L6.9-W5.9-LS7.9-RD [mm]
  rect 2.7x3.3 smd paste+0 mask+0.051: 1(-3.686,0) 2(3.686,0)
  silkscreen extent -4.36,-3.1 3.98,3.1
DO-214AC_L4.3-W2.7-LS5.3-RD [mm]
  rect 2x2 smd paste+0 mask+0.051: 1(-2.3,0) 2(2.3,0)
  silkscreen extent -2.3,-1.4 2.3,1.4
ESOP-10_L4.9-W3.9-P1.00-LS6.2-BL-EP [mm]
  rect 0.6x1.5 smd paste+0 mask+0.051: 1(-2,-2.75) 2(-1,-2.75) 3(0,-2.75) 4(1,-2.75) 5(2,-2.75) 6(2,2.75) 7(1,2.75) 8(0,2.75) 9(-1,2.75) 10(-2,2.75)
  rect 2.8x2.4 smd paste+0 mask+0.051: 11(0,0)
  silkscreen extent -2.94,-2.96 2.5,2
F0805 [mm]
  rect 1.335x1.5 smd paste-100 mask+0.051: 1(-1.142,0) 2(1.142,0)
  silkscreen extent -2.16,-1.02 2.16,1.02
FC-135R_L3.2-W1.5#1 [mm]
  rect 1x1.8 smd mask+0.051: 1(-1.25,0) 2(1.25,0)
  silkscreen extent -0.51,-0.76 0.51,0.76
FC-135R_L3.2-W1.5#2 [mm]
  rect 1.001x1.801 smd paste+0.102 mask+0.051: 1(-1.25,0) 2(1.25,0)
  silkscreen extent -0.51,-0.76 0.51,0.76
FPC-SMD_30P-P0.50_XUNPU_FPC-05F-30PH20 [mil]
  rect 11.8x49.2 smd paste+4 mask+1.97: 1(-285.4,50.7) 2(-265.7,50.7) 3(-246.1,50.7) 4(-226.4,50.7) 5(-206.7,50.7) 6(-187,50.7) 7(-167.3,50.7) 8(-147.6,50.7) 9(-127.9,50.7) 10(-108.3,50.7) 11(-88.6,50.7) 12(-68.9,50.7) 13(-49.2,50.7) 14(-29.5,50.7) 15(-9.8,50.7) 16(9.8,50.7) 17(29.5,50.7) 18(49.2,50.7) 19(68.9,50.7) 20(88.6,50.7) 21(108.3,50.7) 22(128,50.7) 23(147.6,50.7) 24(167.3,50.7) 25(187,50.7) 26(206.7,50.7) 27(226.4,50.7) 28(246.1,50.7) 29(265.8,50.7) 30(285.4,50.7)
  rect 78.7x98.4 smd paste+4 mask+1.97: 31(352,-50.7) 32(-352,-50.7)
  silkscreen extent -382,-161 382,70
FPC-SMD_F0502-B-35-15T-R [mil]
  rect 11.8x35.4 smd paste+4 mask+2: 1(-334.6,53.2) 2(-315,53.2) 3(-295.3,53.2) 4(-275.6,53.2) 5(-255.9,53.2) 6(-236.2,53.2) 7(-216.5,53.2) 8(-196.8,53.2) 9(-177.2,53.2) 10(-157.5,53.2) 11(-137.8,53.2) 12(-118.1,53.2) 13(-98.4,53.2) 14(-78.7,53.2) 15(-59.1,53.2) 16(-39.4,53.2) 17(-19.7,53.2) 18(0,53.2) 19(19.7,53.2) 20(39.4,53.2) 21(59.1,53.2) 22(78.7,53.2) 23(98.4,53.2) 24(118.1,53.2) 25(137.8,53.2) 26(157.5,53.2) 27(177.2,53.2) 28(196.9,53.2) 29(216.5,53.2) 30(236.2,53.2) 31(255.9,53.2) 32(275.6,53.2) 33(295.3,53.2) 34(315,53.2) 35(334.6,53.2)
  rect 43.3x70.9 smd paste+4 mask+2: 36(419.3,-53.1) 37(-419.3,-53.1)
  silkscreen extent -425,-136 425,41
HDR-SMD_14P-P2.54-H-F-R2-C7-S3.50 [mm]
  rect 1x2 smd paste+0 mask+0.051: 1(-7.62,-1.75) 2(-7.62,1.75) 3(-5.08,-1.75) 4(-5.08,1.75) 5(-2.54,-1.75) 6(-2.54,1.75) 7(0,-1.75) 8(0,1.75) 9(2.54,-1.75) 10(2.54,1.75) 11(5.08,-1.75) 12(5.08,1.75) 13(7.62,-1.75) 14(7.62,1.75)
  silkscreen extent -9.09,-1.85 -8.69,-1.45
IMPORTED_IMAGE [mil]
  silkscreen extent 0,-250 232,0
IND-SMD_L2.0-W1.6-B [mm]
  rect 1x1.7 smd mask+0.051: 1(-0.85,0) 2(0.85,0)
  silkscreen extent -1.27,-1.12 1.27,1.12
IND-SMD_L2.5-W2.0_252012 [mil]
  rect 43.3x78.7 smd paste+4 mask+2: 1(-35.4,0) 2(35.4,0)
  silkscreen extent -59,-51 59,51
IND-SMD_L4.0-W4.0 [mm]
  rect 1.6x3.5 smd mask+0.051: 1(-1.6,0) 2(1.6,0)
  silkscreen extent -2.08,-2.1 2.08,2.1
IND-SMD_L4.5-W3.6_SQC453226T-4R7K-N [mm]
  rect 2.235x3.888 smd mask+0.051: 1(-1.867,0) 2(1.867,0)
  silkscreen extent -3.21,-2.17 3.21,2.17
IND-SMD_L5.0-W5.0_CHILISIN_HPPC05030 [mm]
  rect 1.5x2.3 smd mask+0.051: 1(-2.05,0) 2(2.05,0)
  silkscreen extent -2.54,-2.54 2.54,2.54
IND-SMD_L6.2-W6.2-MBH6045C-221MA [mm]
  rect 2x2.6 smd mask+0.051: 1(-2.5,0) 2(2.5,0)
  silkscreen extent -3.18,-3.18 3.18,3.18
IND-SMD_L8.0-W8.0_CHILISIN_HPPC08040B [mm]
  rect 2.4x3.2 smd mask+0.051: 1(-4.2,0) 2(4.2,0)
  silkscreen extent -4,-4 4,4
IND-SMD_L9.5-W9.5 [mm]
  rect 2.75x4 smd mask+0.051: 1(-3.875,0) 2(3.875,0)
  silkscreen extent -4.75,-4.75 4.75,4.75
IND-SMD_L12.0-W12.0_CHILISIN_HPPC12040 [mm]
  rect 3.5x6 smd mask+0.051: 1(-5.35,0) 2(5.35,0)
  silkscreen extent -6.02,-6 6.03,6
KEY-SMD_K2-1806SA-AXXW-XX [mm]
  rect 0.9x0.8 smd paste+0 mask+0.051: 1(-1.71,-1) 2(1.75,-1)
  rect 0.6x1.2 smd paste+0 mask+0.051: 3(-2.38,1) 4(2.38,1)
  silkscreen extent -2.38,-1 2.42,2.7
L0402 [mm]
  rect 0.79x0.54 smd paste-100 mask+0.051: 1(-0.545,0) 2(0.545,0)
  silkscreen extent -1.17,-0.5 1.17,0.5
L0805 [mil]
  rect 44.59x54.21 smd paste-3937.01 mask+2: 1(-38.04,0) 2(38.04,0)
  silkscreen extent -77,-40 73,40
LED0603-R-RD [mm]
  rect 0.8x0.8 smd paste+0 mask+0.051: 1(0.851,0) 2(-0.851,0)
  silkscreen extent -1.82,-0.86 1.77,0.86
LED0603-RD [mm]
  rect 0.8x0.8 smd mask+0.051: 1(-0.799,-0.003) 2(0.799,0.003)
  silkscreen extent -1.49,-0.75 1.39,0.76
LED-ARRAY-SMD_4P-L1.6-W1.5-BR-1 [mm]
  rect 0.8x0.6 smd mask+0.051: 1(0.8,-0.5) 2(0.8,0.5) 3(-0.8,-0.5) 4(-0.8,0.5)
  silkscreen extent -0.77,-1.1 1.1,0.95
LED-SMD_4P-L3.0-W2.5_597-7701-507F [mm]
  rect 1.4x1.2 smd mask+0.051: 1(1.2,0.95) 2(-1.2,0.95) 3(1.2,-0.95) 4(-1.2,-0.95)
  silkscreen extent -3.11,-1.4 3.17,1.4
LED-SMD_4P-L3.2-W2.7-R-RD [mil]
  rect 47.2x39.4 smd paste+4 mask+2: 1(65,27.6) 1(65,-27.6) 2(-65,27.6) 2(-65,-27.6)
  silkscreen extent -63,-53 63,53
LFPAK56-4_L4.9-W4.2-P1.27-LS6.2-BL [mm]
  rect 0.595x1 smd mask+0.051: 1(-1.905,-1.957) 2(-0.635,-1.957) 3(0.635,-1.957) 4(1.905,-1.957)
  rect 4.5x4.5 smd mask+0.051: 5(0,1.957)
  silkscreen extent -2.79,-2.11 2.53,2.87
LQFP-64_L10.0-W10.0-P0.50-LS12.0-BL-EP5.3 [mm]
  oval 0.28x1.6 smd mask+0.051: 1(-3.75,-5.7) 2(-3.25,-5.7) 3(-2.75,-5.7) 4(-2.25,-5.7) 5(-1.75,-5.7) 6(-1.25,-5.7) 7(-0.75,-5.7) 8(-0.25,-5.7) 9(0.25,-5.7) 10(0.75,-5.7) 11(1.25,-5.7) 12(1.75,-5.7) 13(2.25,-5.7) 14(2.75,-5.7) 15(3.25,-5.7) 16(3.75,-5.7) 33(3.75,5.7) 34(3.25,5.7) 35(2.75,5.7) 36(2.25,5.7) 37(1.75,5.7) 38(1.25,5.7) 39(0.75,5.7) 40(0.25,5.7) 41(-0.25,5.7) 42(-0.75,5.7) 43(-1.25,5.7) 44(-1.75,5.7) 45(-2.25,5.7) 46(-2.75,5.7) 47(-3.25,5.7) 48(-3.75,5.7)
  oval 1.6x0.28 smd mask+0.051: 17(5.7,-3.75) 18(5.7,-3.25) 19(5.7,-2.75) 20(5.7,-2.25) 21(5.7,-1.75) 22(5.7,-1.25) 23(5.7,-0.75) 24(5.7,-0.25) 25(5.7,0.25) 26(5.7,0.75) 27(5.7,1.25) 28(5.7,1.75) 29(5.7,2.25) 30(5.7,2.75) 31(5.7,3.25) 32(5.7,3.75) 49(-5.7,3.75) 50(-5.7,3.25) 51(-5.7,2.75) 52(-5.7,2.25) 53(-5.7,1.75) 54(-5.7,1.25) 55(-5.7,0.75) 56(-5.7,0.25) 57(-5.7,-0.25) 58(-5.7,-0.75) 59(-5.7,-1.25) 60(-5.7,-1.75) 61(-5.7,-2.25) 62(-5.7,-2.75) 63(-5.7,-3.25) 64(-5.7,-3.75)
  rect 5.3x5.3 smd mask+0.051: 65(0,0)
  silkscreen extent -5.08,-6.9 5.08,5.08
"MINI-PCIE 0.8-52P" [mm]
  rect 0.6x2.55 smd mask+0.051: 1(1.05,1.525) 3(1.85,1.525) 5(2.65,1.525) 7(3.45,1.525) 9(4.25,1.525) 11(5.05,1.525) 13(5.85,1.525) 15(6.65,1.525) 17(10.65,1.525) 19(11.45,1.525) 21(12.25,1.525) 23(13.05,1.525) 25(13.85,1.525) 27(14.65,1.525) 29(15.45,1.525) 31(16.25,1.525) 33(17.05,1.525) 35(17.85,1.525) 37(18.65,1.525) 39(19.45,1.525) 41(20.25,1.525) 43(21.05,1.525) 45(21.85,1.525) 47(22.65,1.525) 49(23.45,1.525) 51(24.25,1.525)
MLF-6_L1.6-W1.6-P0.50-TL-EP [mil]
  rect 23.62x11.81 smd mask+2: 1(-30.02,20) 2(-30.02,0) 3(-30.02,-20) 4(29.98,-20) 5(30.02,0) 6(30.02,20)
  rect 19.68x49.61 smd mask+2: 7(0,0.01)
  silkscreen extent -44,-31 16,44
OSC-SMD_4P-L1.6-W1.2-BL_ABRACON_AMPMG [mm]
  rect 0.35x0.5 smd paste+0 mask+0.05: 2(0.6,-0.375) 3(0.6,0.375) 4(-0.6,0.375)
  Top Layer region: -0.775,-0.125 -0.345,-0.125 -0.345,-0.625 -0.66,-0.625 -0.775,-0.475
  silkscreen extent -1.4,-1.27 1.02,0.89
OSC-SMD_4P-L2.0-W1.6-BL [mm]
  rect 1x0.8 smd mask+0.051: 1(-0.9,-0.6) 2(0.9,-0.6) 3(0.9,0.6) 4(-0.9,0.6)
  silkscreen extent -1.89,-1.56 1.65,1.33
OSC-SMD_4P-L3.2-W2.5-BL [mm]
  rect 1.4x1.2 smd paste+0 mask+0.051: 1(-1.1,-0.875) 2(1.1,-0.875) 3(1.1,0.875) 4(-1.1,0.875)
  silkscreen extent -2.29,-1.9 2.03,1.65
OSC-SMD_4P-L5.0-W3.2-BL [mil]
  rect 78.7x55.1 smd paste+4 mask+2: 1(-80.7,-47.2) 2(80.7,-47.2) 3(80.7,47.2) 4(-80.7,47.2)
  silkscreen extent -136,-89 127,80
QFN-16_L3.0-W3.0-P0.50-BL-EP2.0 [mm]
  oval 0.28x0.85 smd mask+0.051: 1(-0.75,-1.65) 2(-0.25,-1.65) 3(0.25,-1.65) 4(0.75,-1.65) 9(0.75,1.65) 10(0.25,1.65) 11(-0.25,1.65) 12(-0.75,1.65)
  oval 0.85x0.28 smd mask+0.051: 5(1.65,-0.75) 6(1.65,-0.25) 7(1.65,0.25) 8(1.65,0.75) 13(-1.65,0.75) 14(-1.65,0.25) 15(-1.65,-0.25) 16(-1.65,-0.75)
  rect 2x2 smd mask+0.051: 17(0,0)
  silkscreen extent -1.72,-2.38 1.72,1.72
QFN-20_L4.0-W4.0-P0.5-EP2.0 [mm]
  rect 0.28x0.665 smd mask+0.051: 1(-1,-1.908) 2(-0.5,-1.908) 3(0,-1.908) 4(0.5,-1.908) 5(1,-1.908) 11(1,1.908) 12(0.5,1.908) 13(0,1.908) 14(-0.5,1.908) 15(-1,1.908)
  rect 0.665x0.28 smd mask+0.051: 6(1.908,-1) 7(1.908,-0.5) 8(1.908,0) 9(1.908,0.5) 10(1.908,1) 16(-1.908,1) 17(-1.908,0.5) 18(-1.908,0) 19(-1.908,-0.5) 20(-1.908,-1)
  rect 2x2 smd mask+0.051: 21(0,0)
  silkscreen extent -2.08,-2.61 2.08,2.08
QFN-24_L4.0-W4.0-P0.50-BL-EP2.7 [mm]
  oval 0.28x0.8 smd paste-100 mask+0.05: 1(-1.25,-2) 2(-0.75,-2) 3(-0.25,-2) 4(0.25,-2) 5(0.75,-2) 6(1.25,-2) 13(1.25,2) 14(0.75,2) 15(0.25,2) 16(-0.25,2) 17(-0.75,2) 18(-1.242,2)
  oval 0.8x0.28 smd paste-100 mask+0.05: 7(2,-1.25) 8(2,-0.75) 9(2,-0.25) 10(2,0.25) 11(2,0.75) 12(2,1.25) 19(-2,1.25) 20(-2,0.75) 21(-2,0.25) 22(-2,-0.25) 23(-2,-0.75) 24(-2,-1.25)
  rect 2.7x2.7 smd paste-100 mask+0.05: 25(0.012,0)
  silkscreen extent -2.14,-2.79 2.16,2.15
QFN-28_L5.0-W5.0-P0.50-BL-EP3.1 [mm]
  oval 0.28x1.03 smd paste-100 mask+0.051: 1(-1.5,-2.377) 2(-1,-2.377) 3(-0.5,-2.377) 4(0,-2.377) 5(0.5,-2.377) 6(1,-2.377) 7(1.5,-2.377) 15(1.5,2.377) 16(1,2.377) 17(0.5,2.377) 18(0,2.377) 19(-0.5,2.377) 20(-1,2.377) 21(-1.5,2.377)
  oval 1.03x0.28 smd paste-100 mask+0.051: 8(2.377,-1.5) 9(2.377,-1) 10(2.377,-0.5) 11(2.377,0) 12(2.377,0.5) 13(2.377,1) 14(2.377,1.5) 22(-2.377,1.5) 23(-2.377,1) 24(-2.377,0.5) 25(-2.377,0) 26(-2.377,-0.5) 27(-2.377,-1) 28(-2.377,-1.5)
  rect 3.1x3.1 smd paste-100 mask+0.051: 29(0,0)
  silkscreen extent -2.58,-3.02 2.58,2.58
QFN-48_L5.0-W5.0-P0.35-BL-EP3.7 [mm]
  rect 0.15x0.8 smd paste-100 mask+0.05: 1(-2.275,-2.5) 2(-1.925,-2.5) 3(-1.575,-2.5) 4(-1.225,-2.5) 5(-0.875,-2.5) 6(-0.525,-2.5) 7(-0.175,-2.5) 8(0.175,-2.5) 9(0.525,-2.5) 10(0.875,-2.5) 11(1.225,-2.5) 12(1.575,-2.5) 13(1.925,-2.5) 14(2.275,-2.5) 25(2.275,2.5) 26(1.925,2.5) 27(1.575,2.5) 28(1.225,2.5) 29(0.875,2.5) 30(0.525,2.5) 31(0.175,2.5) 32(-0.175,2.5) 33(-0.525,2.5) 34(-0.875,2.5) 35(-1.225,2.5) 36(-1.575,2.5) 37(-1.925,2.5) 38(-2.275,2.5)
  rect 0.8x0.15 smd paste-100 mask+0.05: 15(2.5,-1.575) 16(2.5,-1.225) 17(2.5,-0.875) 18(2.5,-0.525) 19(2.5,-0.175) 20(2.5,0.175) 21(2.5,0.525) 22(2.5,0.875) 23(2.5,1.225) 24(2.5,1.575) 39(-2.5,1.575) 40(-2.5,1.225) 41(-2.5,0.875) 42(-2.5,0.525) 43(-2.5,0.175) 44(-2.5,-0.175) 45(-2.5,-0.525) 46(-2.5,-0.875) 47(-2.5,-1.225) 48(-2.5,-1.575)
  rect 3.7x3.7 smd paste-100 mask+0.05: 49(0,0)
  silkscreen extent -2.67,-3.43 2.67,2.54
R0201 [mil]
  rect 11.93x12.76 smd paste-3937.01 mask+2: 1(-9.51,0) 2(9.51,0)
  silkscreen extent -24,-15 24,15
R0402 [mm]
  rect 0.566x0.54 smd paste-100 mask+0.051: 1(-0.433,0) 2(0.433,0)
  silkscreen extent -0.94,-0.5 0.94,0.5
R0603 [mil]
  rect 31.75x34.02 smd paste-3937.01 mask+2: 1(-29.66,0) 2(29.66,0)
  silkscreen extent -55,-26 55,26
R0805 [mm]
  rect 1.133x1.377 smd paste-100 mask+0.051: 1(-1,0) 2(1,0)
  silkscreen extent -1.76,-0.92 1.76,0.92
R01005 [mm]
  rect 0.18x0.216 smd mask+0.051: 1(-0.17,0) 2(0.17,0)
  silkscreen extent -0.36,-0.24 0.36,0.24
R1206 [mil]
  rect 47.54x66.97 smd paste-3937.01 mask+2: 1(-58.22,0) 2(58.22,0)
  silkscreen extent -91,-42 91,42
R2010 [mm]
  rect 1.283x2.7 smd paste-100 mask+0.051: 1(-2.391,0) 2(2.391,0)
  silkscreen extent -3.26,-1.58 3.26,1.58
SC-70-3_L2.1-W1.3-P1.30-LS2.1-BR [mm]
  rect 0.6x0.4 smd mask+0.051: 1(0.91,-0.65) 2(0.91,0.65) 3(-0.91,0)
  silkscreen extent -0.7,-1.08 0.7,1.08
SMT-SOP16-X [mm]
  oval 0.6x2 smd mask+0.051: 1(-4.445,-3.2) 2(-3.175,-3.2) 3(-1.905,-3.2) 4(-0.635,-3.2) 5(0.635,-3.2) 6(1.905,-3.2) 7(3.175,-3.2) 8(4.445,-3.2) 9(4.445,3.2) 10(3.175,3.2) 11(1.905,3.2) 12(0.635,3.2) 13(-0.635,3.2) 14(-1.905,3.2) 15(-3.175,3.2) 16(-4.445,3.2)
  silkscreen extent -5.97,-1.78 5.09,1.63
SOD-123_L2.7-W1.6-LS3.8-RD [mil]
  rect 43.3x47.2 smd paste+4 mask+2: 1(-68.3,0) 2(68.3,0)
  silkscreen extent -63,-39 54,39
SOD-123F_L2.7-W1.6-LS3.8-RD [mm]
  rect 1.1x1 smd paste+0 mask+0.051: 1(-1.735,0) 2(1.735,0)
  silkscreen extent -1.6,-1 1.38,1
SOD-323_L1.8-W1.3-LS2.5-RD [mm]
  rect 1x0.75 smd paste+0 mask+0.051: 1(-1.172,0) 2(1.172,0)
  silkscreen extent -1.08,-0.8 0.9,0.8
SOIC-8_L5.2-W5.2-P1.27-LS7.9-BL [mm]
  oval 0.63x2.25 smd paste+0 mask+0.051: 1(-1.905,-3.53) 2(-0.635,-3.53) 3(0.635,-3.53) 4(1.905,-3.53) 5(1.905,3.53) 6(0.635,3.53) 7(-0.635,3.53) 8(-1.905,3.53)
  silkscreen extent -2.99,-3.69 2.74,2.75
SOIC-8_L5.3-W5.3-P1.27-LS8.0-BL [mm]
  oval 0.63x2.25 smd paste+0 mask+0.051: 1(-1.905,-3.53) 2(-0.635,-3.53) 3(0.635,-3.53) 4(1.905,-3.53) 5(1.905,3.53) 6(0.635,3.53) 7(-0.635,3.53) 8(-1.905,3.53)
  silkscreen extent -2.82,-3.68 2.64,2.18
SOP-8_L4.9-W3.9-P1.27-LS6.0-BL [mm]
  oval 0.63x1.865 smd mask+0.051: 1(-1.905,-2.682) 2(-0.635,-2.682) 3(0.635,-2.682) 4(1.905,-2.682) 5(1.905,2.682) 6(0.635,2.682) 7(-0.635,2.682) 8(-1.905,2.682)
  silkscreen extent -2.82,-2.83 2.58,1.52
SOT-23-3_L2.9-W1.3-P1.90-LS2.4-BR [mm]
  rect 1.25x0.7 smd paste+0 mask+0.051: 1(1,-0.95) 2(1,0.95) 3(-1,0)
  silkscreen extent -0.73,-1.53 0.73,1.53
SOT-23-3_L3.0-W1.7-P0.95-LS2.9-BR [mil]
  rect 40.85x20.95 smd mask+2: 1(43.36,-37.4) 2(43.36,37.4) 3(-43.36,0)
  silkscreen extent -34,-60 34,60
SOT-23-6_L2.9-W1.6-P0.95-LS2.8-BL [mil]
  rect 20.95x42.2 smd mask+2: 1(-37.4,-45.24) 2(0,-45.24) 3(37.4,-45.24) 4(37.4,45.24) 5(0,45.24) 6(-37.4,45.24)
  silkscreen extent -72,-57 61,35
SOT-36-6_L2.0-W1.3-P0.65-BL [mm]
  rect 0.3x0.8 smd paste+0 mask+0.05: 1(-0.65,-0.65) 2(0,-0.65) 3(0.65,-0.65) 4(0.65,0.65) 5(0,0.65) 6(-0.65,0.65)
  silkscreen extent -1,-0.63 1,0.63
SOT-223-4_L6.5-W3.5-P2.30-LS7.0-BR [mm]
  rect 2.47x0.98 smd mask+0.051: 1(2.835,-2.3) 2(2.835,0) 3(2.835,2.3)
  rect 2.47x3.6 smd mask+0.051: 4(-2.835,0)
  silkscreen extent -1.37,-3.33 1.37,3.33
SOT-563_L1.6-W1.2-P0.50-LS1.6-BL [mm]
  rect 0.28x0.545 smd mask+0.051: 1(-0.5,-0.723) 2(0,-0.723) 3(0.5,-0.723) 4(0.5,0.723) 5(0,0.723) 6(-0.5,0.723)
  silkscreen extent -0.99,-1.12 0.88,0.68
SOT-723_L1.2-W0.8-P0.40-LS1.2-BR [mil]
  rect 19.25x11.57 smd mask+2: 1(20.85,-15.75) 2(20.85,15.75)
  rect 19.25x17.09 smd mask+2: 3(-20.85,0)
  silkscreen extent -19,-27 19,27
TO-252-2_L6.5-W6.1-P4.58-LS10.0-TL [mil]
  rect 110.2x53.2 smd paste+0 mask+2: 1(-136.8,90.2)
  rect 110.2x59.1 smd paste+0 mask+2: 3(-136.8,-90.2)
  rect 255.9x236.2 smd paste+0 mask+2: 4(136.8,-0.7)
  silkscreen extent -81,-134 193,146
USB-C-SMD_TYPE-C-31-M-31 [mil]
  rect 19.7x44.9 smd paste-3937.01 mask+2: A1(-126,93.4) A4(-94.5,93.4) A9(94.5,93.4) A12(126,93.4)
  rect 11.8x44.9 smd paste-3937.01 mask+2: A5(-49.2,93.4) A6(-9.8,93.4) A7(9.8,93.4) A8(49.2,93.5) B5(68.9,93.4) B6(29.5,93.4) B7(-29.5,93.4) B8(-68.9,93.5)
  silkscreen extent -177,-199 177,24
WQFN-20_L3.0-W3.0-P0.40-BL-EP [mil]
  rect 7.9x31.5 smd paste+4 mask+2: 1(-31.5,-59) 2(-15.8,-59) 3(0,-59) 4(15.7,-59) 5(31.5,-59) 11(31.5,59.1) 12(15.7,59.1) 13(0,59.1) 14(-15.8,59.1) 15(-31.5,59.1)
  rect 31.5x7.9 smd paste+4 mask+2: 6(59.1,-31.5) 7(59.1,-15.7) 8(59.1,0) 9(59.1,15.7) 10(59.1,31.5) 16(-59.1,31.5) 17(-59.1,15.8) 18(-59.1,0) 19(-59.1,-15.7) 20(-59.1,-31.5)
  rect 66.9x66.9 smd paste+4 mask+2: 21(0,0)
  silkscreen extent -61,-83 61,61
WS2812B [mil]
  rect 59.1x35.4 smd paste+0 mask+2: 1(-98.4,63) 2(-98.4,-63) 3(98.4,-63) 4(98.4,63)
  silkscreen extent -98,-98 98,98